# Altium PCB CTRL V5.PcbDoc (part 1 of 3)
Units mil, origin at the board's own origin, x right, y up, seen from the top; angles counter-clockwise.
Board outline 1988.19 x 1466.54 mil, 2 copper layers (Top Layer, Bottom Layer); 108 components, 97 nets, 447 pads, 160 vias.
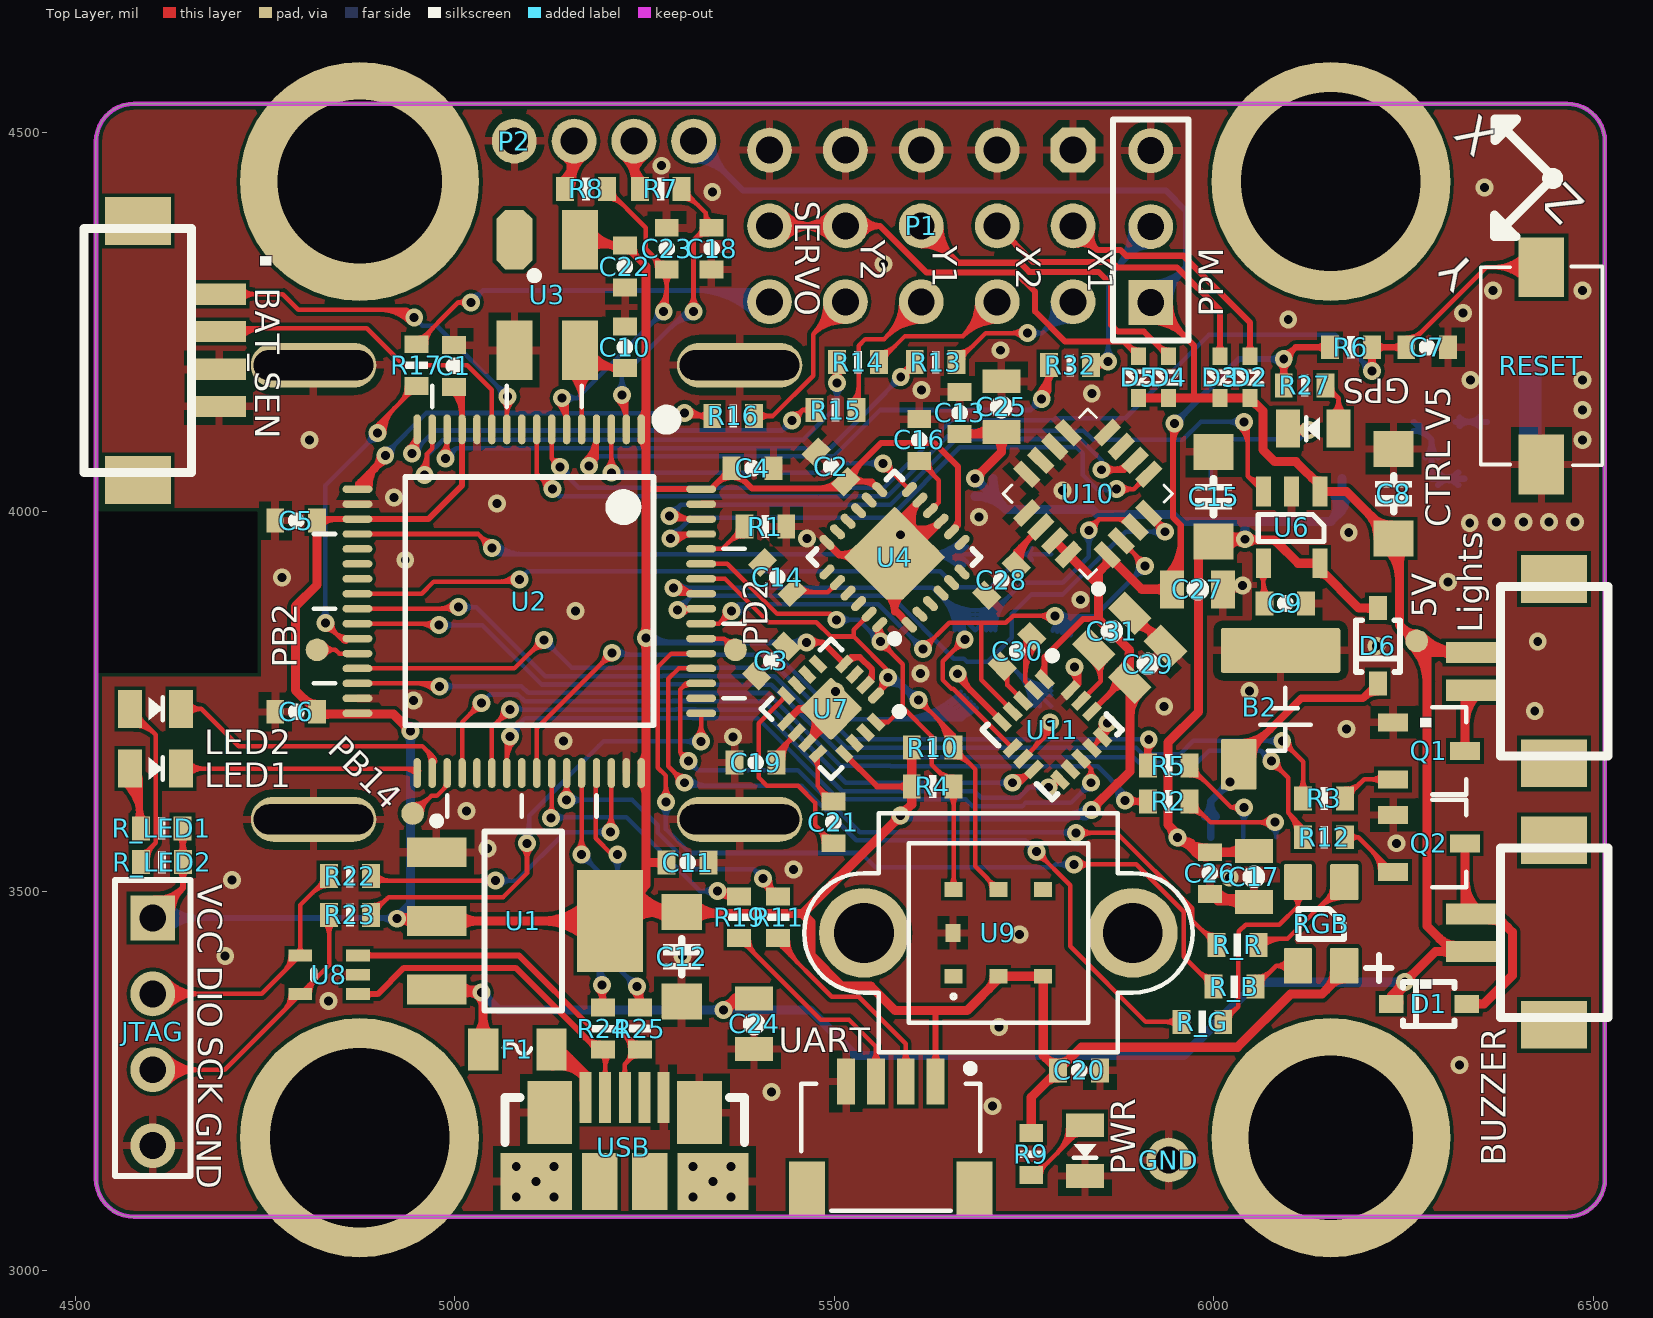
[diagram p0: Top Layer view]
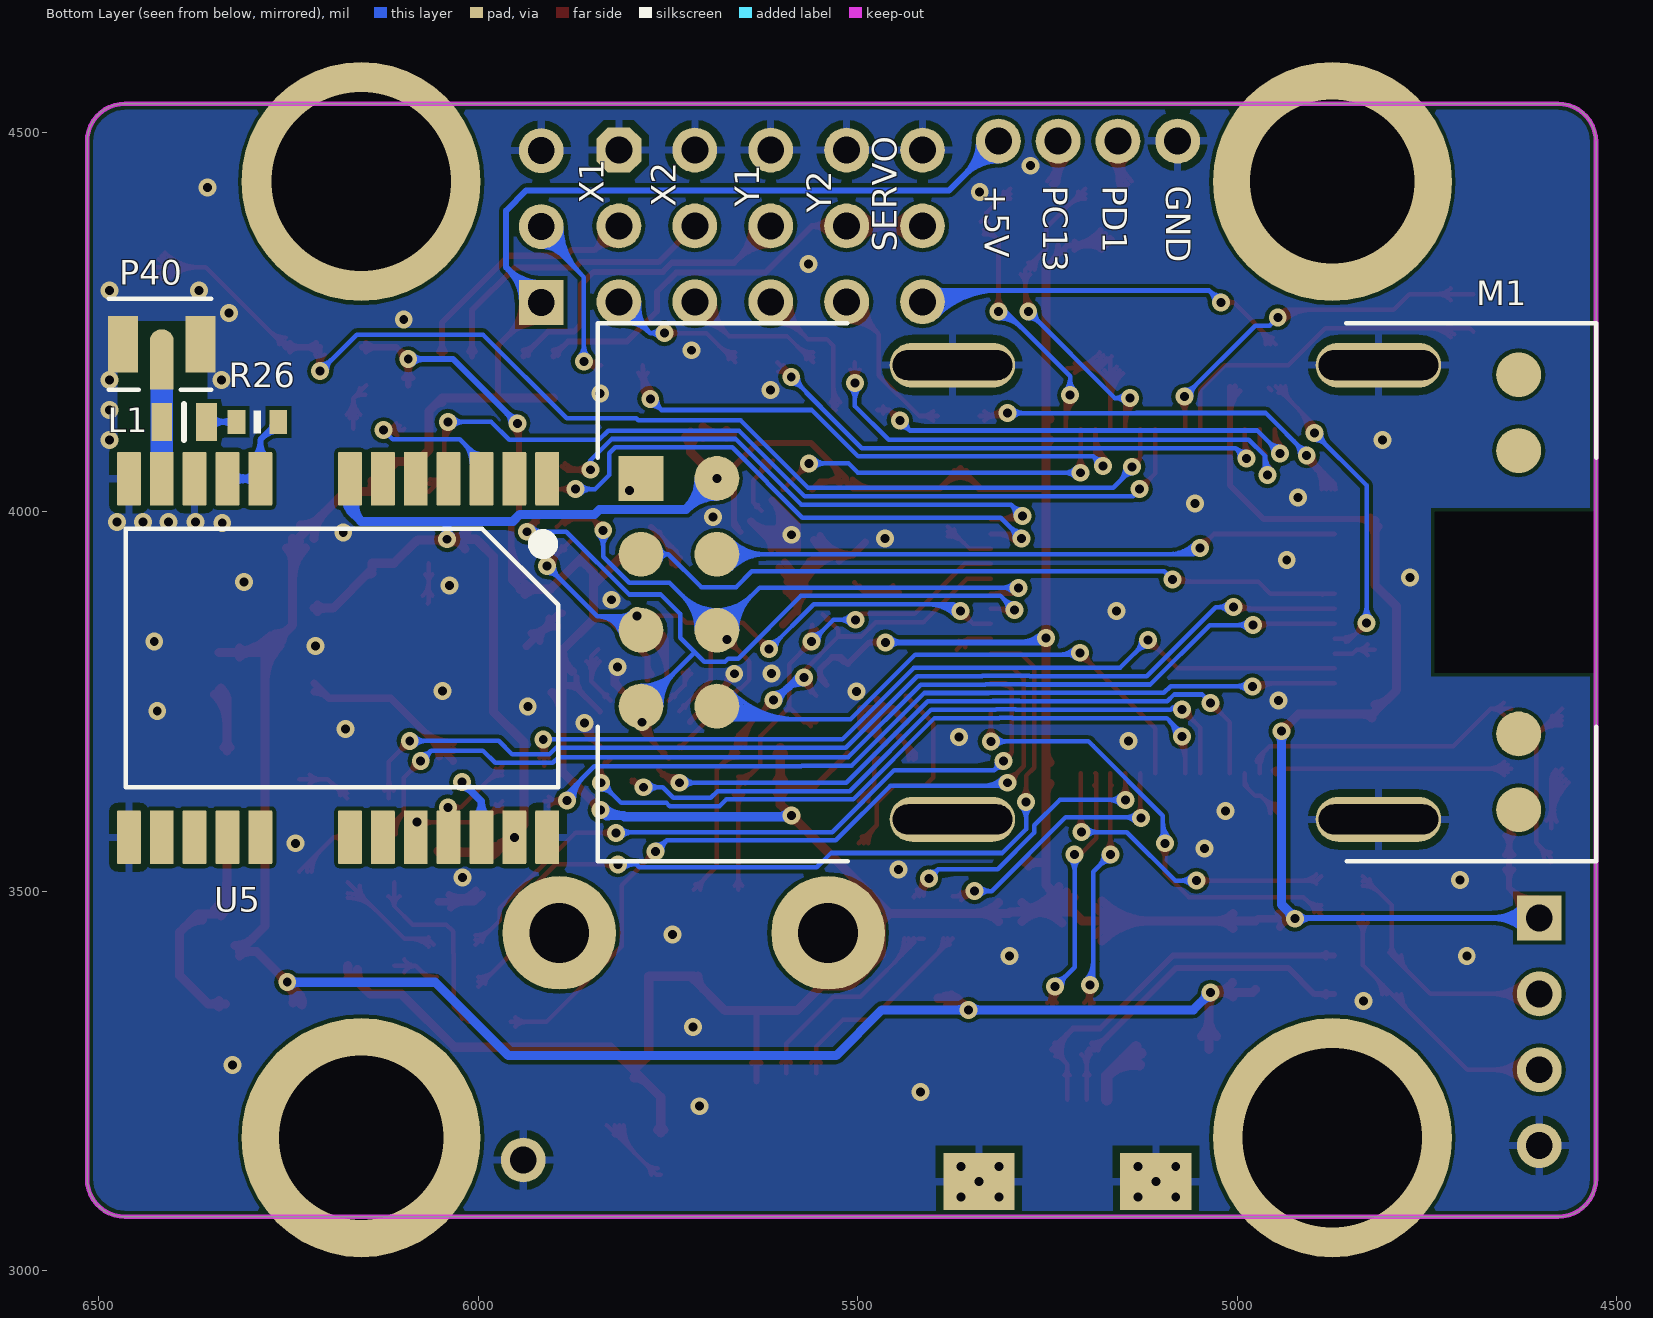
[diagram p1: Bottom Layer view, seen from below]

## Layer stack, top to bottom
Top Layer: signal copper 1.4
Dielectric: dielectric 12.6, FR-4, Dk 4.8
Bottom Layer: signal copper 1.4

## Board outline
4527.56,3120.87 ccw(c4577.56,3120.87) 4577.56,3070.87 6465.75,3070.87 ccw(c6465.75,3120.87) 6515.75,3120.87 6515.75,4487.4 ccw(c6465.75,4487.4) 6465.75,4537.4 4577.56,4537.4 ccw(c4577.56,4487.4) 4527.56,4487.4

## Design rules (kind name [scope] priority, off if disabled: settings)
Clearance [All] p1: gap=5
ComponentClearance [All] p1: gap=1 collisioncheckmode=3 verticalgap=1 showdistances=FALSE
HoleSize [All] p1: absolutevalues=TRUE maxlimit=500 minlimit=1 maxpercent=80.000 minpercent=20.000
PolygonConnect IPEX [InComponent('P40')] p1: connectstyle=Direct reliefconductorwidth=10 reliefentries=4 polygonreliefangle="90 Angle" airgapwidth=10
PolygonConnect via [isvia] p2: connectstyle=Direct reliefconductorwidth=10 reliefentries=4 polygonreliefangle="90 Angle" airgapwidth=10
PolygonConnect [All] p3: connectstyle=Relief reliefconductorwidth=10 reliefentries=4 polygonreliefangle="90 Angle" airgapwidth=10
RoutingVias [All] p1: holewidth=11.81 width=23.62 viastyle="Through Hole" minholewidth=11.81 minwidth=23.62 maxholewidth=11.81 maxwidth=23.62
SolderMaskExpansion [All] p1: expansion=4
Width 5V [InNet('5V')] p1: maxlimit=15 minlimit=8 preferedwidth=10
Width PURE3V3 [InNet('PURE_3V3')] p2: maxlimit=15 minlimit=8 preferedwidth=10
Width 3V3 [InNet('3V3')] p3: maxlimit=20 minlimit=6 preferedwidth=8
Width [All] p4: maxlimit=157.48 minlimit=6 preferedwidth=6
26 further rules are at their usual default settings.

## Components (designator, comment, footprint, x,y, rotation, side; value= is the part's Value field where it differs from the comment)
5V "voltage" TEST_P 6267.72,3829.72 r0 top
+5V "voltage" PIN1*1 5314.96,4488.19 r90 bottom
B2 "XH414" XH414 6106.3,3748.03 r0 top
BAT_SEN "PIN HDR 1x4" DF13C-4P-1.25V 4653.54,4212.6 r270 top
BUZZER "PIN HDR 1x2" DF13C-2P-1.25V 6377.95,3444.88 r90 top
C1 "0.1uF" 0603-CAP 4999.02,4191.93 r90 top
C2 "0.1uF" 0603-CAP 5496.06,4059.06 r135 top
C3 "0.1uF" 0603-CAP 5417.32,3803.15 r45 top
C4 "0.1uF" 0603-CAP 5392.72,4057.09 r180 top
C5 "0.1uF" 0603-CAP 4791.34,3988.19 r0 top
C6 "0.1uF" 0603-CAP 4791.34,3736.22 r180 top
C7 "0.1uF" 0603-CAP 6281.5,4216.54 r180 top
C8 "Value" TAJ-A(1206)[3216] 6237.2,4023.62 r90 top
C9 "0.1uF" 0603-CAP 6094.49,3878.94 r0 top
C10 "0.1uF" 0603-CAP 5224.41,4216.54 r270 top
C11 "0.1uF" 0603-CAP 5307.09,3537.4 r180 top
C12 "Value" TAJ-A(1206)[3216] 5299.21,3413.39 r270 top
C13 "0.1uF" 0603-CAP 5665.35,4129.92 r270 top
C14 "0.1uF" 0603-CAP 5425.2,3913.39 r135 top
C15 "Value" TAJ-A(1206)[3216] 6000,4019.68 r90 top
C16 "0.1uF" 0603-CAP 5612.2,4094.49 r90 top
C17 "1uF" 0805-CAP 6053.15,3518.7 r90 top
C18 "0.1uF" 0603-CAP 5338.58,4346.46 r90 top
C19 "0.1uF" 0603-CAP 5396.65,3669.29 r0 top
C20 "0.1uF" 0603-CAP 5822.83,3263.78 r180 top
C21 "0.1uF" 0603-CAP 5499.02,3590.55 r90 top
C22 "0.1uF" 0603-CAP 5224.41,4322.83 r90 top
C23 "0.1uF" 0603-CAP 5279.53,4346.46 r270 top
C24 "0.1uF" 0805-CAP 5394.69,3324.8 r90 top
C25 "1uF" 0805-CAP 5720.47,4137.8 r90 top
C26 "0.1uF" 0603-CAP 5995.08,3523.62 r90 top
C27 "1uF" 0805-CAP 5979.33,3897.64 r180 top
C28 "10n" 0603-CAP 5720.47,3909.45 r45 top
C29 "1uF" 0805-CAP 5913.39,3799.21 r225 top
C30 "0.47uF" 0603-CAP 5741.14,3815.94 r45 top
C31 "4.7uF" 0805-CAP 5866.14,3842.52 r225 top
D1 "SOD-323" SOD-323 6283.46,3351.38 r180 top
D2 "S4_SOD-523" SOD-523 6047.24,4177.17 r270 top
D3 "S4_SOD-523" SOD-523 6007.87,4177.17 r270 top
D4 "S4_SOD-523" SOD-523 5939.96,4177.17 r270 top
D5 "S4_SOD-523" SOD-523 5900.59,4177.17 r270 top
D6 "SOD-323" SOD-323 6216.54,3822.83 r270 top
F1 "FUSE" 0805-FUS 5082.68,3291.34 r0 top
GND "voltage" PIN1*1 5940.94,3145.67 r90 top
GPS "LED" 0805-LED 6130.91,4109.25 r0 top
JTAG "PIN HDR 1x4" PIN4*1 4602.36,3464.57 r270 top
L1 "value" 0805-IND 6387.8,4118.11 r0 bottom
LED1 "LED" 0805-LED 4606.3,3661.42 r180 top
LED2 "LED" 0805-LED 4606.3,3740.16 r180 top
Lights "PIN HDR 1x2" DF13C-2P-1.25V 6377.95,3789.37 r90 top
M1 "E01-ML01DP5" "E01-ML01DP5 - SMD" 4527.56,3539.37 r180 bottom locked
P1 "PIN3X5" "PIN HDR3X5" 5814.96,4476.38 r180 top
P2 "voltage" PIN1*1 5078.74,4488.19 r0 top
P40 "IPEX" IPEX 6417.32,4220.47 r270 bottom
PB2 "voltage" TEST_P 4818.9,3817.91 r90 top
PB14 "voltage" TEST_P 4944.88,3602.36 r90 top
PC13 "voltage" PIN1*1 5236.22,4488.19 r180 bottom
PD1 "voltage" PIN1*1 5157.48,4488.19 r180 bottom
PD2 "voltage" TEST_P 5370.08,3817.91 r90 top
PPM "voltage" PIN3*1 5917.32,4275.59 r90 top
PWR "LED" 0805-LED 5830.71,3157.48 r90 top
Q1 "NPN" SOT-23 6283.46,3685.04 r270 top
Q2 "NPN" SOT-23 6283.46,3562.99 r270 top
R1 "Value" 0603-Res 5409.45,3980.32 r180 top
R2 "510" 0603-Res 5940.94,3618.11 r0 top
R3 "Value" 0603-Res 6145.67,3622.05 r0 top
R4 "2.2K" 0603-Res 5629.92,3637.8 r180 top
R5 "510" 0603-Res 5940.94,3665.35 r0 top
R6 "Value" 0603-Res 6181.1,4216.54 r0 top
R7 "Value" 0603-Res 5271.65,4425.2 r180 top
R8 "Value" 0603-Res 5173.23,4425.2 r180 top
R9 "Value" 0603-Res 5759.84,3153.54 r270 top
R10 "2.2K" 0603-Res 5629.92,3688.98 r180 top
R11 "Value" 0603-Res 5426.18,3465.55 r90 top
R12 "Value" 0603-Res 6145.67,3570.87 r180 top
R13 "Value" 0603-Res 5633.86,4196.85 r180 top
R14 "Value" 0603-Res 5531.5,4196.85 r180 top
R15 "Value" 0603-Res 5501.97,4133.86 r180 top
R16 "Value" 0603-Res 5367.13,4125.98 r180 top
R17 "Value" 0603-Res 4949.8,4192.91 r270 top
R19 "Value" 0603-Res 5375,3465.55 r90 top
R22 "Value" 0603-Res 4862.2,3519.68 r0 top
R23 "Value" 0603-Res 4862.2,3468.5 r0 top
R24 "Value" 0603-Res 5195.42,3318.9 r90 top
R25 "Value" 0603-Res 5244.09,3318.9 r90 top
R26 "Value" 0603-Res 6291.34,4118.11 r0 bottom
R27 "Value" 0603-Res 6120.08,4166.34 r180 top
R32 "Value" 0603-Res 5811.02,4192.91 r0 top
R_B "Value" 0603-Res 6027.56,3374.02 r180 top
R_G "Value" 0603-Res 5985.24,3327.76 r180 top
R_LED1 "Value" 0603-Res 4614.17,3582.68 r180 top
R_LED2 "Value" 0603-Res 4614.55,3538.06 r180 top
R_R "Value" 0603-Res 6031.5,3429.13 r180 top
RESET "KEY_2PIN" KEY-SMD-2P-1 6432.09,4191.93 r90 top
RGB "3528LED" 1210-RGBLED 6141.73,3456.69 r90 top
U1 "AMS1117-3.3" SOT-223 5090.55,3460.63 r270 top
U2 "STM32F103RCT6" LQFP-64-S 5098.43,3881.89 r180 top
U3 "votage" XTAL-5032-4P 5185.04,4255.91 r270 top
U4 "MPU6050" QFN-24 5579.72,3939.96 r45 top
U5 "NEO-6" NEO-6 6185.04,3807.09 r0 bottom locked
U6 "RT9193" SOT23-5 6102.36,3976.38 r180 top
U7 "HMC5883" QFN-16-L 5496.06,3740.16 r135 top
U8 "ESDA6V1W5(Eb1)" SOT323-5L 4834.65,3389.76 r90 top
U9 "BMP180" BMP180-WITHSHELL 5716.54,3444.88 r90 top
U10 "L3GD20" L3G4200DH-MAN 5834.65,4023.62 r135 top
U11 "LSM303D" LGA-16L 5787.4,3712.6 r315 top
UART "PIN HDR 1x4" "SH1.0 S-W-4P" 5574.8,3078.74 r0 top
USB "USB" USB_MICRO 5224.41,3117.13 r90 top

## Footprints (in the part's own frame and the unit in brackets; to place one, negate y for a bottom-side part, rotate by r counter-clockwise, add the part's x,y. Pads: shape width x height; smd on the part's side, far side on the other; paste and mask are expansions set on the pad)
0603-CAP [mm] "0603[1608]-CAP"
  rect 0.6x0.8 smd: 1(-0.7,0) 2(0.7,0)
  silkscreen extent -0.13,-0.13 0.13,0.13, body extent -0.8,-0.4 0.8,0.4, height 0.8
0603-Res [mm] "贴片电阻0603"
  rect 0.6x0.8 smd: 1(-0.7,0) 2(0.7,0)
  silkscreen extent -0.13,-0.38 0.13,0.38, body extent -0.8,-0.4 0.8,0.4, height 0.45
0805-CAP [mm] "无极性电容"
  rect 0.8x1.27 smd: 1(-0.838,0) 2(0.862,0)
  silkscreen extent -0.13,-0.13 0.13,0.13, body extent -1,-0.61 1,0.59, height 0.95
0805-FUS [mil] "贴片保险丝"
  rect 40x55 smd: 1(-45,0) 2(45,0)
  silkscreen extent -18,-6 18,8, body extent -39,-24 39,24, height 20
0805-IND [mm] "贴片电阻0805"
  rect 0.7x1.27 smd: 1(-0.75,0) 2(0.75,0)
  silkscreen extent 0,-0.6 0,0.6, body extent -1,-0.6 1,0.6, height 1
0805-LED [mm] "贴片LED0805"
  rect 0.8x1.27 smd: A(0.862,0) C(-0.838,0)
  silkscreen extent -0.23,-0.38 0.23,0.38, body extent -1.01,-0.62 1.01,0.63, height 1.1
1210-RGBLED [mm] "3528/1210/3225-4PinRGB"
  rrect10% 1.2x0.95 smd: B(-1.4,0.775) G(1.4,0.775) R(1.4,-0.775) VCC(-1.4,-0.775)
  silkscreen extent -1.9,-2.36 0.51,0.76, body extent -1.75,-1.4 1.75,1.4, height 1.9
BMP180-WITHSHELL [mm]
  round 3 / inner round 3 / far side round 3.8 hole 2 unplated: 0(0,4.5) 0(0,-4.5)
  rect 0.5x0.6 smd: 1(-1.45,1.5) 2(-1.45,0) 3(-1.45,-1.5) 4(1.45,-1.5) 5(1.45,0) 6(1.45,1.5)
  rect 0.6x0.5 smd: 7(0,1.525)
  silkscreen extent -4,-6.5 4,6.5, body extent -4,-6.48 4,6.48, height 3
DF13C-2P-1.25V [mil] "DF13C-2P-1.25V"
  rect 28x71 smd: 1(-24.61,36) 2(25,36)
  rect 63x87 smd: M$0(122,-70.87) M$1(-121.06,-70.87)
  silkscreen extent -111,-142 112,0, body extent -141,-200 141,56, height 141
DF13C-4P-1.25V [mil] "DF13C-4P-1.25V"
  rect 28x71 smd: 1(-73.82,36) 2(-24.61,36) 3(25,36) 4(74,36)
  rect 63x87 smd: M$0(171,-70.87) M$1(-170.28,-70.87)
  silkscreen extent -160,-142 161,0, body extent -190,-187 190,69, height 173
"E01-ML01DP5 - SMD" [mm] "E01-ML01DP5模块"
  rect 1.5x1.5 smd: 1(-31.96,12.81)
  oval 4.2x1.5 hole 1 slot 4 at 0 deg: 1(-21.54,1.4) 1(-21.54,16.6) 1(-7.28,1.4) 1(-7.28,16.6)
  round 1.5 smd: 2(-29.42,12.81) 3(-31.96,10.27) 4(-29.42,10.27) 5(-31.96,7.73) 6(-29.42,7.73) 7(-31.96,5.19) 8(-29.42,5.19) GND(-2.59,1.72) GND(-2.59,4.26) GND(-2.59,13.74) GND(-2.59,16.28)
  round 1.5 hole 5.4 square unplated: SLOT(-2.7,9)
  silkscreen extent -33.4,0 0,18, body extent -33.49,-0.05 0,18.05, height 0.4
IPEX [mm] "IPEX天线座"
  oval 1x0.8 smd: ANT(0,0)
  rect 1.5x0.8 smd: ANT(0.762,0)
  rect 1.9x1 smd: GND(0,-1.3) GND(0,1.3)
  silkscreen extent -1.52,-1.78 1.52,1.65, body extent -1.55,-1.5 1.55,1.5, height 1.25
KEY-SMD-2P-1 [mil] "贴片内引脚按键"
  rect 78.74x60 smd: 1(-130,0) 2(130,0)
  silkscreen extent -131,-80 131,80, body extent -120,-73 120,73, height 98
L3G4200DH-MAN [mil]
  rect 36x16 smd: 1(-74.8,39) 2(-74.8,13) 3(-74.8,-12.8) 4(-74.8,-38.39) 9(75,-38.39) 10(75,-12.79) 11(75,13) 12(75,39)
  rect 16x36 smd: 5(-38.39,-74.8) 6(-12.8,-74.8) 7(13,-74.8) 8(39,-74.8) 13(39,75) 14(13,75) 15(-12.79,75) 16(-38.39,75)
  silkscreen extent -102,-79 79,83, body extent -79,-79 79,79, height 44
LGA-16L [mil]
  rect 26x12 smd: 1(-53.94,40) 2(-53.94,20) 3(-53.94,0) 4(-53.94,-19.68) 5(-53.94,-39.37) 9(54,-39.37) 10(54,-19.68) 11(54,0) 12(54,20) 13(54,40)
  rect 12x26 smd: 6(-19.68,-53.94) 7(0,-53.94) 8(20,-53.94) 14(20,54) 15(0,54) 16(-19.69,54)
  silkscreen extent -74,-65 65,74, body extent -59,-59 59,59, height 39
LQFP-64-S [mm] "14*14*1.4(长宽高，除引脚）"
  oval 0.25x1 smd: 1(-3.75,-5.75) 2(-3.25,-5.75) 3(-2.75,-5.75) 4(-2.25,-5.75) 5(-1.75,-5.75) 6(-1.25,-5.75) 7(-0.75,-5.75) 8(-0.25,-5.75) 9(0.25,-5.75) 10(0.75,-5.75) 11(1.25,-5.75) 12(1.75,-5.75) 13(2.25,-5.75) 14(2.75,-5.75) 15(3.25,-5.75) 16(3.75,-5.75) 33(3.75,5.75) 34(3.25,5.75) 35(2.75,5.75) 36(2.25,5.75) 37(1.75,5.75) 38(1.25,5.75) 39(0.75,5.75) 40(0.25,5.75) 41(-0.25,5.75) 42(-0.75,5.75) 43(-1.25,5.75) 44(-1.75,5.75) 45(-2.25,5.75) 46(-2.75,5.75) 47(-3.25,5.75) 48(-3.75,5.75)
  oval 1x0.25 smd: 17(5.75,-3.75) 18(5.75,-3.25) 19(5.75,-2.75) 20(5.75,-2.25) 21(5.75,-1.75) 22(5.75,-1.25) 23(5.75,-0.75) 24(5.75,-0.25) 25(5.75,0.25) 26(5.75,0.75) 27(5.75,1.25) 28(5.75,1.75) 29(5.75,2.25) 30(5.75,2.75) 31(5.75,3.25) 32(5.75,3.75) 49(-5.75,3.75) 50(-5.75,3.25) 51(-5.75,2.75) 52(-5.75,2.25) 53(-5.75,1.75) 54(-5.75,1.25) 55(-5.75,0.75) 56(-5.75,0.25) 57(-5.75,-0.25) 58(-5.75,-0.75) 59(-5.75,-1.25) 60(-5.75,-1.75) 61(-5.75,-2.25) 62(-5.75,-2.75) 63(-5.75,-3.25) 64(-5.75,-3.75)
  silkscreen extent -7.21,-7.21 7.21,7.21, body extent -6,-6 6,6, height 1.45
NEO-6 [mm] "GPS_NEO-6_16X12.2"
  rrect10% 0.8x1.8 smd: 1(-7,-6) 2(-5.9,-6) 3(-4.8,-6) 4(-3.7,-6) 5(-2.6,-6) 6(-1.5,-6) 7(-0.4,-6) 8(2.6,-6) 9(3.7,-6) 10(4.8,-6) 11(5.9,-6) 12(7,-6) 13(7,6) 14(5.9,6) 15(4.8,6) 16(3.7,6) 17(2.6,6) 18(-0.4,6) 19(-1.5,6) 20(-2.6,6) 21(-3.7,6) 22(-4.8,6) 23(-5.9,6) 24(-7,6)
  silkscreen extent -7.37,-4.32 7.11,4.32, body extent -8.3,-6.18 8.3,6.18, height 2.64
PIN1*1 [mm]
  round 1.5 hole 0.9: 1(0,0)
PIN3*1 [mm]
  rect 1.5x1.5 hole 0.9: 1(0,0)
  round 1.5 hole 0.9: 2(2.54,0) 3(5.08,0)
  silkscreen extent -1.27,-1.27 6.12,1.27, body extent -1.27,-1.27 6.1,1.27, height 4
PIN4*1 [mm]
  rect 1.5x1.5 hole 0.9: 1(0,0)
  round 1.5 hole 0.9: 2(2.54,0) 3(5.08,0) 4(7.62,0)
  silkscreen extent -1.27,-1.27 8.64,1.27, body extent -1.27,-1.27 8.64,1.27, height 4
"PIN HDR3X5" [mm]
  oct 1.5x1.5 hole 0.9: 1(0,0)
  round 1.5 hole 0.9: 2(0,2.54) 3(0,5.08) 4(2.54,0) 5(2.54,2.54) 6(2.54,5.08) 7(5.08,0) 8(5.08,2.54) 9(5.08,5.08) 10(7.62,0) 11(7.62,2.54) 12(7.62,5.08) 13(10.16,0) 14(10.16,2.54) 15(10.16,5.08)
  body extent -1.27,-1.27 11.43,6.35, height 7.58
QFN-16-L [mm] "3x3,long lead"
  oct 0.3x0.6 smd: 1(-0.75,-1.375)
  rect 0.3x0.6 smd: 2(-0.25,-1.375) 3(0.25,-1.375) 4(0.75,-1.375) 9(0.75,1.375) 10(0.25,1.375) 11(-0.25,1.375) 12(-0.75,1.375)
  rect 0.6x0.3 smd: 5(1.375,-0.75) 6(1.375,-0.25) 7(1.375,0.25) 8(1.375,0.75) 13(-1.375,0.75) 14(-1.375,0.25) 15(-1.375,-0.25) 16(-1.375,-0.75)
  rrect10% 1.5x1.5 smd: 17(0,0)
  silkscreen extent -1.81,-1.68 1.65,1.65, body extent -1.55,-1.55 1.55,1.55, height 0.89
QFN-24 [mm]
  oct 0.28x0.6 smd: 1(-1.25,-1.95)
  oval 0.28x0.6 smd: 2(-0.75,-1.95) 3(-0.25,-1.95) 4(0.25,-1.95) 5(0.75,-1.95) 6(1.25,-1.95) 13(1.25,1.95) 14(0.75,1.95) 15(0.25,1.95) 16(-0.25,1.95) 17(-0.75,1.95) 18(-1.25,1.95)
  oval 0.6x0.28 smd: 7(1.95,-1.25) 8(1.95,-0.75) 9(1.95,-0.25) 10(1.95,0.25) 11(1.95,0.75) 12(1.95,1.25) 19(-1.95,1.25) 20(-1.95,0.75) 21(-1.95,0.25) 22(-1.95,-0.25) 23(-1.95,-0.75) 24(-1.95,-1.25)
  rrect10% 0.6x2 smd: 25(-0.9,0.2)
  rrect10% 0.6x0.6 smd rot 45: 25(-0.787,-0.787)
  rrect10% 2x0.6 smd: 25(0.2,-0.9)
  rrect5% 2x2 smd: 25(0.2,0.2)
  silkscreen extent -2.06,-2.06 2.03,2.03, body extent -2,-2 2,2, height 0.9
"SH1.0 S-W-4P" [mm]
  rect 1.2x1.8 smd: 0(-2.8,0.75) 0(2.8,0.75)
  rect 0.6x1.55 smd: 1(1.5,4.325) 2(0.5,4.325) 3(-0.5,4.325) 4(-1.5,4.325)
  silkscreen extent -3,0 3,4.89, body extent -3,0 3,4.95, height 2.92
SOD-323 [mil] "塑封体尺寸1.25x1.7mm"
  rect 32x24 smd: A(-50.01,-0.01) C(49.21,-0.01)
  silkscreen extent -34,-29 34,29, body extent -51,-26 51,26, height 39
SOD-523 [mm] "塑封体0.8x1.2mm"
  rect 0.6x0.5 smd: A(-0.7,0.019) C(0.7,0.019)
  silkscreen extent -0.18,-0.43 0.2,0.43, body extent -0.8,-0.4 0.8,0.4, height 0.65
SOT23-5 [mm]
  rect 0.5x1 smd: 1(-0.965,-1.27) 2(-0.015,-1.27) 3(0.935,-1.27) 4(0.935,1.13) 5(-0.965,1.13)
  silkscreen extent -1.1,-0.5 1.1,0.4, body extent -1.47,-1.47 1.43,1.33, height 1.09
SOT323-5L [mm] "1.2x2mm(except pins)"
  rect 0.4x0.8 smd: 1(-0.65,-0.965) 2(0,-0.965) 3(0.65,-0.965) 4(0.65,0.965) 5(-0.65,0.965)
  silkscreen extent -0.13,0.51 0.13,0.51, body extent -1.05,-1.05 1.05,1.05, height 1
SOT-23 [mm] "左下角起逆时针1,2,3,(小23)，塑封宽度1.3mm"
  rect 0.6x1 smd: 1(-0.946,-1.196) 2(0.959,-1.196) 3(0.005,1.214)
  silkscreen extent -1.45,0.12 1.47,1.26, body extent -1.47,-1.35 1.53,1.29, height 1.08
SOT-223 [mm]
  rect 1x2 smd: 1(-2.3,-2.9) 2(0,-2.9) 3(2.3,-2.9)
  rect 3.4x2.2 smd: 4(0,2.9)
  silkscreen extent -3.47,-3.02 3,1.3, body extent -3.25,-3.48 3.25,3.48, height 1.65
TAJ-A(1206)[3216] [mm] "tantalum cap,1206[3216]1.6mmx3.2mmx1.8mm"
  rect 1.2x1.35 smd: A(-1.5,0) C(1.5,0)
  silkscreen extent -0.6,-0.63 0.6,0.63, body extent -1.7,-0.84 1.7,0.84, height 1.71
TEST_P [mil] "PCB上的测试点"
  round 30 smd: 1(0,0)
USB_MICRO [mil] "贴片micro USB"
  rect 67x15.75 smd: D+(111,0) D-(111,26) GND(111,-51.18) ID(111,-25.59) VBUS(111,52)
  round 11.81 hole 11.81: GND(-20,93.14) GND(-20,143.14) GND(-20,-140) GND(-20,-90) GND(20,93.14) GND(20,143.14) GND(20,-140) GND(20,-90)
  rect 75x94 hole 11.81: GND(0,117) GND(0,-116.14)
  rect 83x59 smd: GND(91,-98.42) GND(91,99)
  rect 75x47 smd: ""(0,33) ""(0,-32.97)
  silkscreen extent 52,-157 111,158, body extent -99,-157 114,157, height 105
XH414 [mil] "XH414-φ4.75金属贴片法拉电容"
  rrect10% 157.48x59.06 smd: GND(-18,69)
  rrect10% 47.24x66.93 smd: VCC(-73,-81)
  silkscreen extent -45,-63 22,20, body extent -97,-97 92,92, height 63
XTAL-5032-4P [mm] "5032晶振"
  oct 2x1.2 smd: 1(-2.6,-2.7)
  rect 2x1.2 smd: 2(1.1,-2.7) 3(1.1,-0.5) 4(-2.6,-0.5)
  silkscreen extent -1.52,-2.16 -1.27,-1.91, body extent -3.3,-3.2 1.71,0.01, height 1.12

## Part data
5V PB2 PB14 PD2: library part TEST, "信号测试点"
+5V GND P2 PC13 PD1: library part "PIN HDR 1x1"
B2: "XH414贴片法拉电容φ4.7"
BAT_SEN JTAG UART: "1x4-Pin-connector"